# Altium PCB 07-寻迹传感器模块--电路板图.PcbDoc
Units mm, origin at the board's own origin, x right, y up, seen from the top; angles counter-clockwise.
Board outline 71.11 x 35.3 mm, 2 copper layers (Top Layer, Bottom Layer); 18 components, 6 nets, 68 pads, 1 vias.
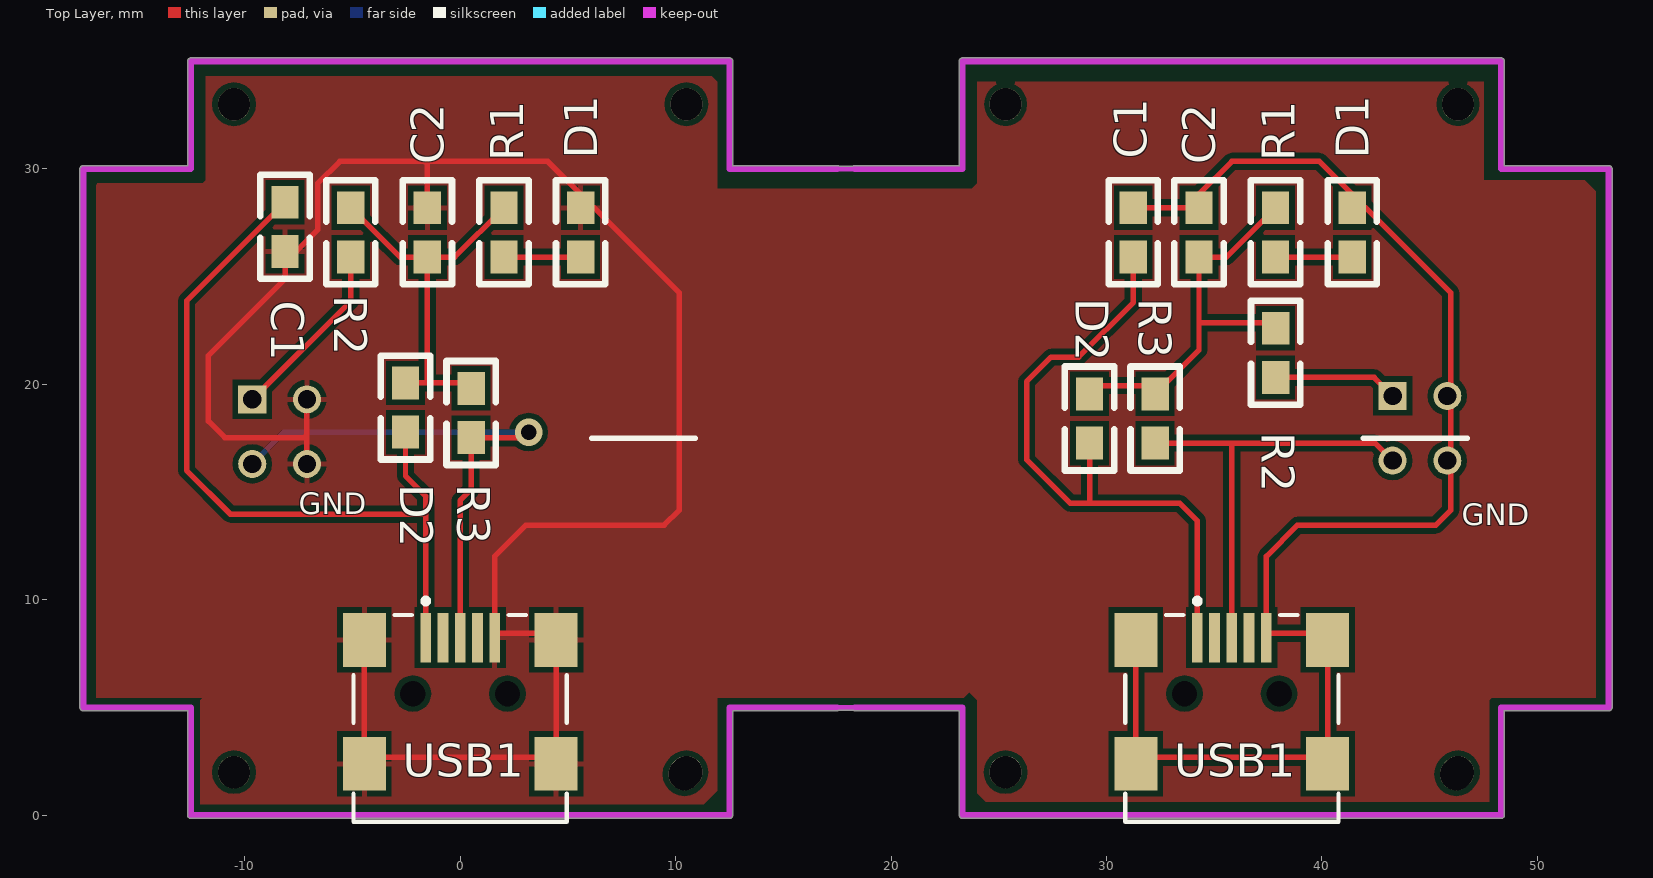
[diagram p0: Top Layer view]
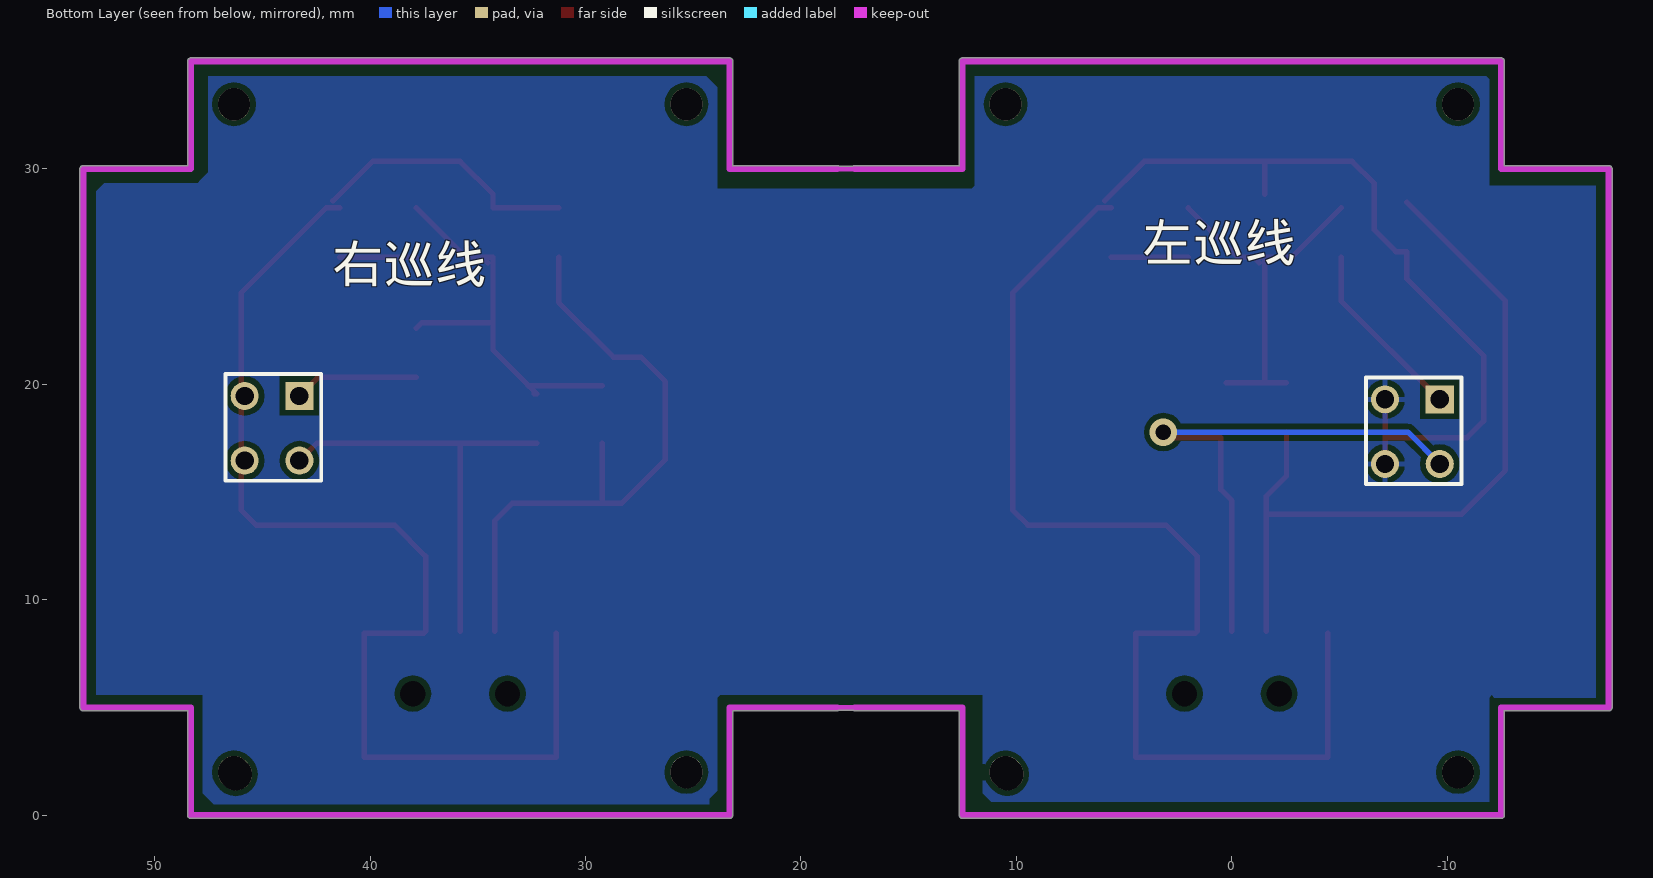
[diagram p1: Bottom Layer view, seen from below]

## Layer stack, top to bottom
Top Layer: signal copper 0.0356
Dielectric: dielectric 0.32, FR-4, Dk 4.8
Bottom Layer: signal copper 0.0356

## Board outline
-12.65,0 -12.65,4.85 -17.5,4.85 cw(c-17.5,5) -17.65,5 -17.65,30 cw(c-17.5,30) -17.5,30.15 -12.65,30.15 -12.65,35 cw(c-12.5,35) -12.5,35.15 12.5,35.15 cw(c12.5,35) 12.65,35 12.65,30.15 17.5,30.15 cw(c17.5,30) 17.58,30.127 18.234,30.127 cw(c18.314,30) 18.314,30.15 23.164,30.15 23.164,35 cw(c23.314,35) 23.314,35.15 48.314,35.15 cw(c48.314,35) 48.464,35 48.464,30.15 53.314,30.15 cw(c53.314,30) 53.464,30 53.464,5 cw(c53.314,5) 53.314,4.85 48.464,4.85 48.464,0 cw(c48.314,0) 48.314,-0.15 23.314,-0.15 cw(c23.314,0) 23.164,0 23.164,4.85 18.314,4.85 cw(c18.314,5) 18.234,4.873 17.58,4.873 cw(c17.5,5) 17.5,4.85 12.65,4.85 12.65,0 cw(c12.5,0) 12.5,-0.15 -12.5,-0.15 cw(c-12.5,0)

## Design rules (kind name [scope] priority, off if disabled: settings)
Clearance [All] p1: gap=0.254
PolygonConnect [All] p1: connectstyle=Relief reliefconductorwidth=0.254 reliefentries=4 polygonreliefangle="90 Angle"
RoutingVias [All] p1: holewidth=0.4 width=0.7 viastyle="Through Hole" minholewidth=0.4 minwidth=0.7 maxholewidth=0.4 maxwidth=0.7
SilkscreenOverComponentPads [All] p1: minsilkscreentomaskgap=0.254
SolderMaskExpansion [All] p1: expansion=0.102
TestPointUsage FabricationTestPointUsage [All] p1: valid=0 allowmultiple=FALSE
Testpoint FabricationTestpoint [All] p1: side=3 testpointundercomponent=TRUE minsize=1.016 maxsize=2.54 preferedsize=1.524 minholesize=0 maxholesize=1.016 preferedholesize=0.813 testpointgrid=0.025 style=297 order=0-112345678
Width [All] p1: maxlimit=0.254 minlimit=0.254 preferedwidth=0.254
23 further rules are at their usual default settings.

## Classes and differential pairs
component class Sheet1: C1 C2 D1 D2 R1 R2 R3 USB1 左巡线

## Components (designator, comment, footprint, x,y, rotation, side; value= is the part's Value field where it differs from the comment)
C1 "Cap" 0805 31.242,25.908 r90 top
C1 "Cap" 0805 -8.128,28.448 r270 top
C2 "Cap" 0805 34.29,25.908 r90 top
C2 "Cap" 0805 -1.524,25.908 r90 top
D1 "LED0" 0805 41.402,25.908 r90 top
D1 "LED0" 0805 5.588,25.908 r90 top
D2 "Diode" 0805 29.21,17.272 r90 top
D2 "Diode" 0805 -2.54,17.78 r90 top
R1 "res2" 0805 37.846,28.194 r270 top
R1 "res2" 0805 2.032,28.194 r270 top
R2 "res2" 0805 37.846,20.32 r90 top
R2 "res2" 0805 -5.08,25.908 r90 top
R3 "res2" 0805 32.258,19.558 r270 top
R3 "res2" 0805 0.508,19.812 r270 top
USB1 "USB" USB/SM0.8-6H5 35.56,5.725 r90 top
USB1 "USB" USB/SM0.8-6H5 -0.254,5.725 r90 top
右巡线 "Optoisolator1" Red 43.277,19.461 r180 bottom (schematic designator L2)
左巡线 "Optoisolator1" Red -9.652,19.304 r180 bottom (schematic designator L2)

## Footprints (in the part's own frame and the unit in brackets; to place one, negate y for a bottom-side part, rotate by r counter-clockwise, add the part's x,y. Pads: shape width x height; smd on the part's side, far side on the other; paste and mask are expansions set on the pad)
0805 [mil]
  rect 60x50 smd: 1(0,-0.06) 2(90,-0.06)
  silkscreen extent -50,-45 140,45
Red [mm]
  rect 1.3x1.3 hole 0.85: 1(0,0)
  round 1.3 hole 0.85: 2(-2.54,0) 3(-2.54,-3) 4(0,-3)
  silkscreen extent -3.43,-3.94 1.02,1.02
USB/SM0.8-6H5 [mm]
  rect 2.3x0.5 smd: 1(2.516,1.346) 2(2.516,0.546) 3(2.516,-0.254) 4(2.516,-1.054) 5(2.516,-1.854)
  rect 2.5x2 smd: 5(-3.338,-4.704) 5(-3.338,4.196) 5(2.416,4.196) 5(2.416,-4.704)
  round 0.6 hole 1.17 unplated: MH1(-0.084,-2.454) MH2(-0.084,1.946)
  silkscreen extent -6.03,-5.2 4.34,4.7

## Part data
C1 C1 C2 C2: "Capacitor"
D1 D1: "Typical INFRARED GaAs LED"
D2 D2: "Default Diode"
R1 R1 R2 R2 R3 R3: "Resistor"
USB1 USB1: library part USB5
右巡线 左巡线: "4-Pin Phototransistor Optocoupler"

## Free pads (board coordinates)
  round 1.5 hole 1.5: 0(-10.5,2) 0(-10.5,33) 0(10.414,1.905) 0(10.5,2) 0(10.5,33) 0(25.314,2) 0(25.314,33) 0(46.228,1.905) 0(46.314,2) 0(46.314,33)

## Via types
v1: diameter 1.27, hole 0.711, Top Layer to Bottom Layer, 1 vias

## Nets (pads, with @x,y where several pads share a name; then routed paths per layer and width w, separated by ;. In a path a pad name is that pad's centre, name@x,y a point inside that pad or via, vN(x,y) a via of type N, cw(c..) or ccw(c..) an arc to the next point about the centre after c; other vN are vias at no path point)
GND: C1.2@-8.13,26.162 C2.2@-1.522,28.194 D1.2@5.59,28.194 USB1.5@1.6,8.241 USB1.5@4.45,2.387 USB1.5@4.45,8.141 USB1.5@-4.45,2.387 USB1.5@-4.45,8.141 左巡线.2 左巡线.3 | length 89.2
  Top Layer w0.254: 左巡线.3 -7.112,17.653 ; 左巡线.2 -7.112,17.653 ; USB1.5@-4.45,8.441 -4.45,2.687 4.45,2.687 4.45,8.441 1.7,8.441 1.6,8.541 1.6,12.014 3.048,13.462 9.471,13.462 10.16,14.151 10.16,16.304 10.16,19.304 10.16,24.257 6.223,28.194 D1.2@5.59,28.194 ; C2.2@-1.522,28.831 -1.522,30.224 -1.651,30.353 ; D1.2@5.906,28.511 4.064,30.353 -1.651,30.353 ; -7.112,17.653 -7.239,17.526 -10.922,17.526 -11.684,18.288 -11.684,21.336 -8.13,24.89 -8.13,26.162 -7.62,26.162 -6.604,27.178 -6.604,29.337 -5.588,30.353 -1.651,30.353
L1: R3.2@0.506,17.526 USB1.3@0,8.241 左巡线.4 | length 25.4
  Top Layer w0.254: USB1.3@0,8.541 0,14.605 0.506,15.111 0.506,17.272 0.506,17.526 2.921,17.526 v1(3.175,17.78)
  Bottom Layer w0.254: 左巡线.4 -8.176,17.78 v1(3.175,17.78)
NetC2_1: C2.1@-1.522,25.908 D2.2@-2.538,20.066 R1.1@2.03,28.194 R2.2@-5.078,28.194 R3.1@0.506,19.812 | length 18
  Top Layer w0.254: R2.2@-5.078,28.194 -2.792,25.908 C2.1@-1.522,25.908 ; D2.2@-2.538,20.066 -1.524,20.066 ; C2.1@-1.524,25.906 -1.524,20.066 ; C2.1@-1.522,25.906 C2.1@-1.522,25.908 ; C2.1@-1.27,25.652 C2.1@-1.014,25.908 ; R3.1@0.252,20.066 -1.524,20.066 ; R1.1@2.03,28.194 -0.256,25.908 C2.1@-1.014,25.908 ; C2.1@-1.522,25.908 C2.1@-1.014,25.908
NetD1_1: D1.1@5.59,25.908 R1.2@2.03,25.908 | length 3.6
  Top Layer w0.254: R1.2@2.03,25.908 D1.1@5.59,25.908
NetL2_1: R2.1@-5.078,25.908 左巡线.1 | length 8.5
  Top Layer w0.254: 左巡线.1 -5.078,23.878 R2.1@-5.078,25.908
VCC: C1.1@-8.13,28.448 D2.1@-2.538,17.78 USB1.1@-1.6,8.241 | length 35.9
  Top Layer w0.254: C1.1@-8.13,28.448 -12.7,23.878 -12.7,16.002 -10.668,13.97 -1.6,13.97 ; D2.1@-2.538,17.78 -2.538,15.746 -1.6,14.808 -1.6,13.97 ; USB1.1@-1.6,8.541 -1.6,13.97
pads on no net: C1.1@31.244,25.908 C1.2@31.244,28.194 C2.1@34.292,25.908 C2.2@34.292,28.194 D1.1@41.404,25.908 D1.2@41.404,28.194 D2.1@29.212,17.272 D2.2@29.212,19.558 R1.1@37.844,28.194 R1.2@37.844,25.908 R2.1@37.848,20.32 R2.2@37.848,22.606 R3.1@32.256,19.558 R3.2@32.256,17.272 USB1.1@34.214,8.241 USB1.2 USB1.3@35.814,8.241 USB1.4 USB1.5@31.364,2.387 USB1.5@31.364,8.141 USB1.5@37.414,8.241 USB1.5@40.264,2.387 USB1.5@40.264,8.141 USB1.MH1 USB1.MH2 右巡线.1 右巡线.2 右巡线.3 右巡线.4
copper on no net: | length 143.7
  Top Layer w0.254: 29.21,19.945 32.256,19.945 32.645,19.945 ; 29.212,14.48 29.212,17.272 ; 31.244,25.908 31.244,23.807 28.702,21.265 27.432,21.265 26.289,20.122 26.289,16.51 28.321,14.478 33.401,14.478 34.214,13.665 34.214,8.541 ; 31.244,28.194 34.292,28.194 34.292,28.831 35.814,30.353 39.878,30.353 41.72,28.511 ; 31.364,8.441 31.364,2.687 40.264,2.687 40.264,8.441 37.514,8.441 37.414,8.541 37.414,12.014 38.862,13.462 45.285,13.462 45.974,14.151 45.974,16.304 45.974,19.304 45.974,24.257 42.037,28.194 41.404,28.194 ; 32.256,17.272 35.814,17.272 ; 32.256,19.558 32.385,19.558 32.385,19.685 32.645,19.945 ; 32.392,19.692 32.645,19.945 ; 34.544,25.652 34.8,25.908 ; 35.814,8.541 35.814,17.272 ; 37.844,25.908 41.404,25.908 ; 37.844,28.194 35.558,25.908 34.292,25.908 34.292,22.86 ; 37.848,20.32 42.418,20.32 43.434,19.304 ; 37.848,22.606 37.594,22.86 34.292,22.86 ; 43.434,16.304 42.466,17.272 35.814,17.272 ; 32.645,19.945 34.292,21.592 34.292,22.86

## Polygon pours and split planes (outlines as drawn)
GND on Top Layer "Top Layer-No Net" (solid): -17.018,29.337 -11.938,29.337 -11.811,29.464 -11.811,34.29 11.684,34.29 11.938,34.036 11.938,29.083 23.749,29.083 23.876,29.21 24.003,29.337 24.003,34.036 47.498,34.036 47.498,29.464 52.197,29.464 52.705,28.956 52.705,5.461 47.879,5.461 47.752,5.334 47.752,0.635 24.384,0.635 24.13,0.889 24.003,1.016 24.003,5.207 24.003,5.334 23.622,5.715 23.368,5.461 11.938,5.461 11.938,1.143 11.557,0.762 11.303,0.508 -12.065,0.508 -12.065,5.334 -11.938,5.461 -16.891,5.461 -16.891,29.21 -17.018,29.337
GND on Bottom Layer "Top Layer-No Net" (solid): -16.891,29.21 -11.938,29.21 -11.938,34.163 -11.811,34.29 11.938,34.29 11.938,29.21 12.065,29.083 23.876,29.083 23.876,33.782 24.257,34.163 24.384,34.29 47.498,34.29 47.498,29.845 47.879,29.464 48.006,29.337 52.324,29.337 52.705,28.956 52.705,28.448 52.705,5.588 47.752,5.588 47.752,1.016 47.371,0.635 47.244,0.508 24.257,0.508 24.257,0.762 24.003,1.016 23.876,1.143 23.876,5.207 23.876,5.461 23.749,5.588 11.557,5.588 11.557,1.016 11.176,0.635 -11.938,0.635 -11.938,5.461 -12.065,5.588 -12.192,5.461 -16.891,5.461 -16.891,29.21

## Keep-outs
Keep-Out Layer:
  lines w0.254: 16.764,30 19.558,30 ; 17.272,5 18.796,5
  lines w0.3: -11.585,0 12.291,0 ; 17.5,5 12.5,5 12.5,0 -12.5,0 -12.5,5 -17.5,5 -17.5,30 -12.5,30 -12.5,35 12.5,35 12.5,30 17.5,30 ; 18.314,5 23.314,5 23.314,0 48.314,0 48.314,5 53.314,5 53.314,30 48.314,30 48.314,35 23.314,35 23.314,30 18.314,30 ; 24.229,0 48.105,0

## Silkscreen, mask and mechanical layers (free items; w line width, h text height)
Top Overlay:
  lines w0.254: 6.096,17.5 10.922,17.5 ; 41.91,17.5 46.736,17.5
  text "GND" at -7.493,13.97 h1
  text "GND" at 46.482,13.462 h1